# Altium PCB SuperClock_LED.PcbDoc
Units mil, origin at the board's own origin, x right, y up, seen from the top; angles counter-clockwise.
Board outline 3579.86 x 2289.71 mil, 4 copper layers (Top Layer, VCC2, GND3, Bottom Layer), stack 23.756 mil thick; 43 components, 32 nets, 152 pads, 46 vias.
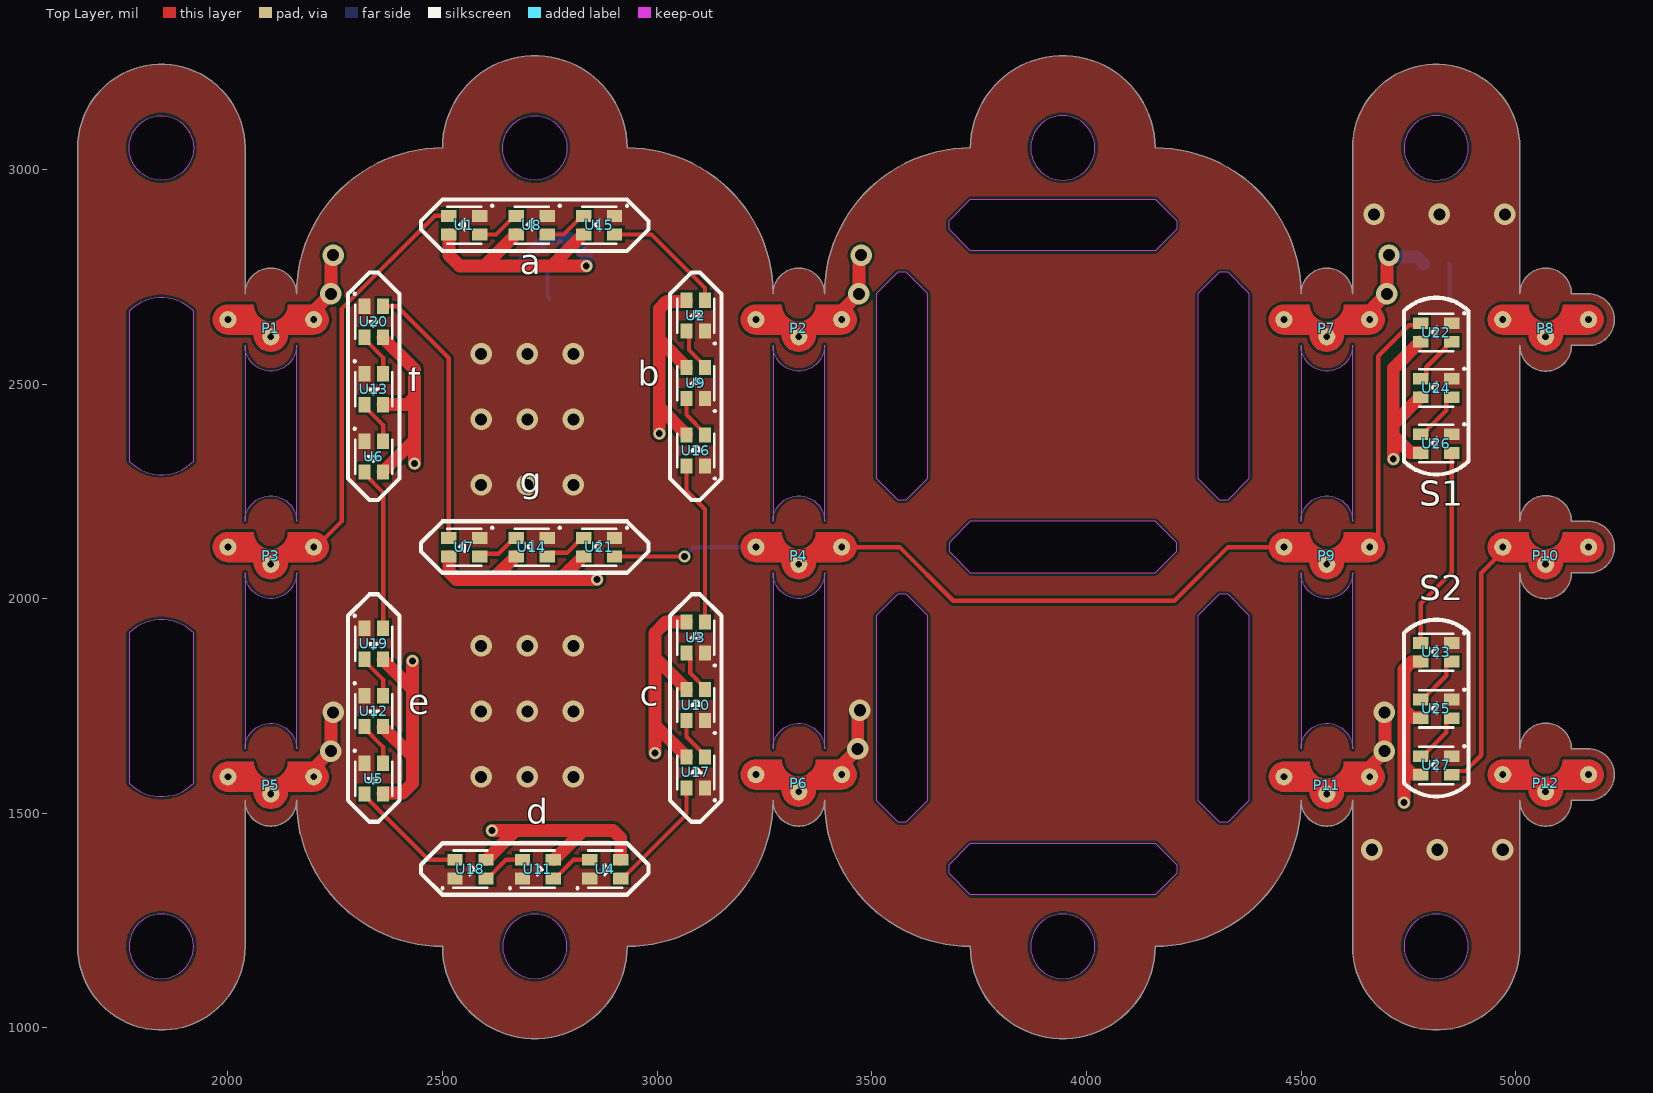
[diagram p0: Top Layer view]
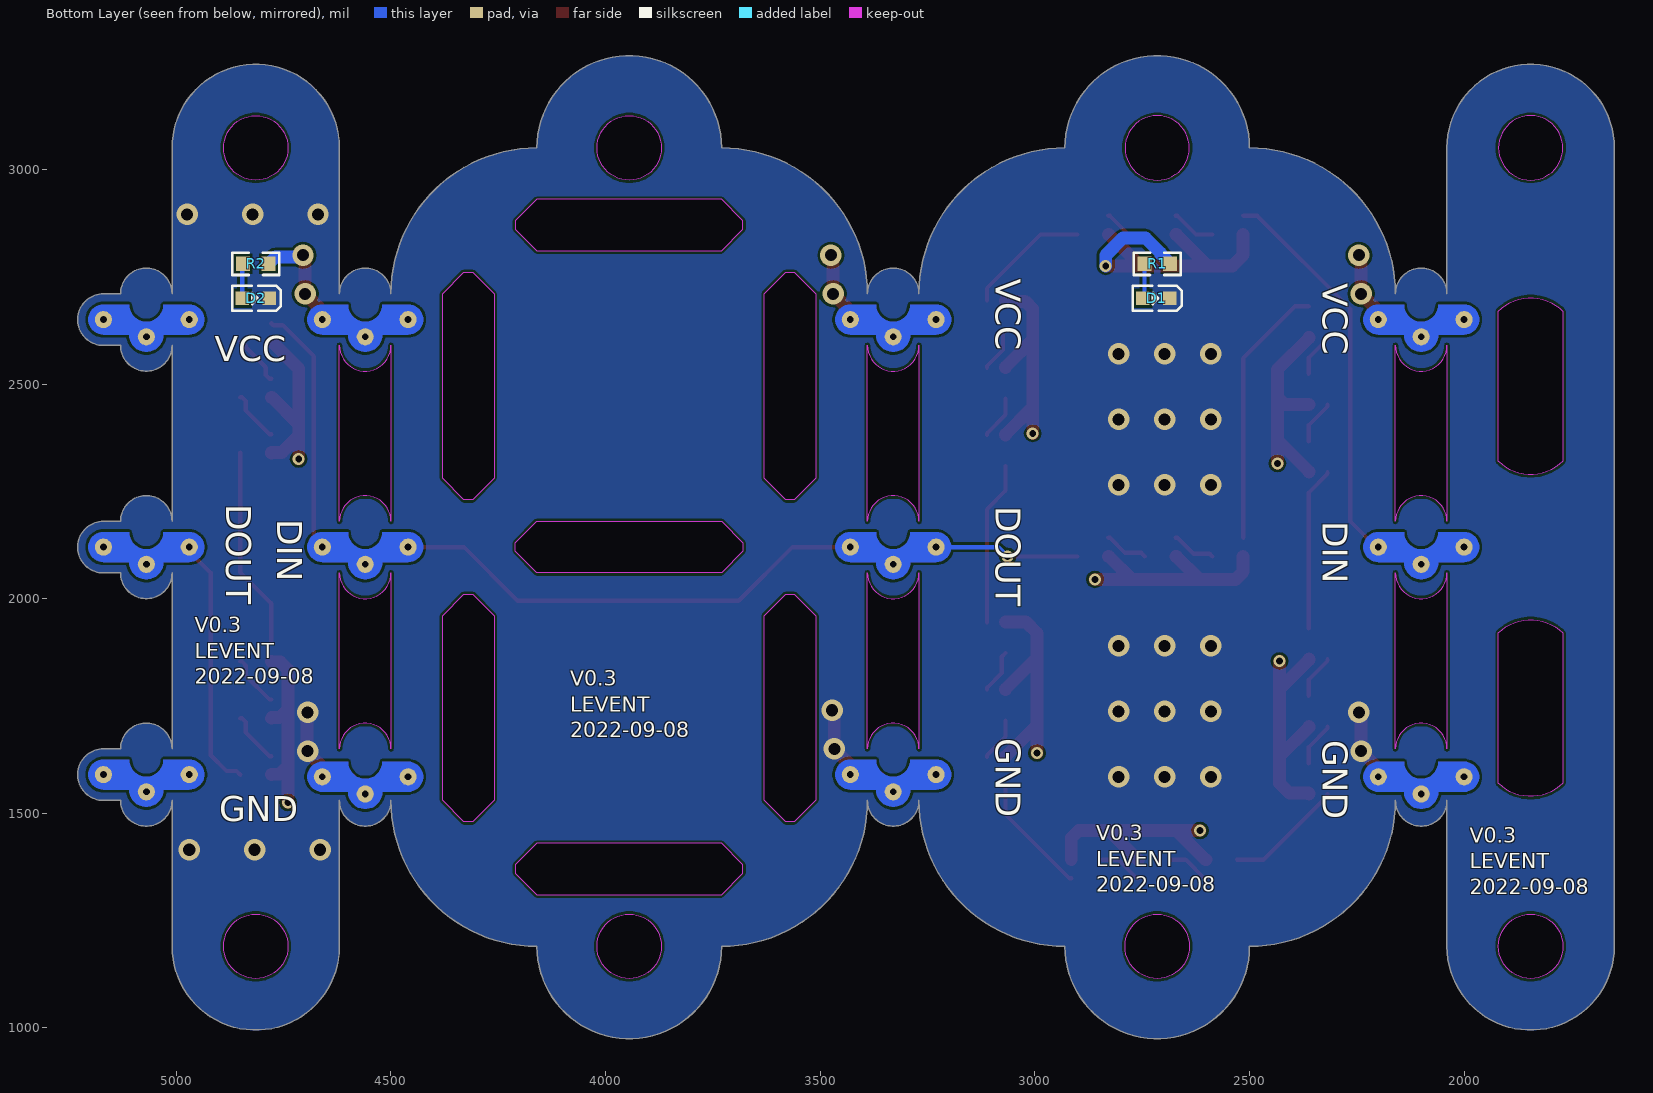
[diagram p1: Bottom Layer view, seen from below]
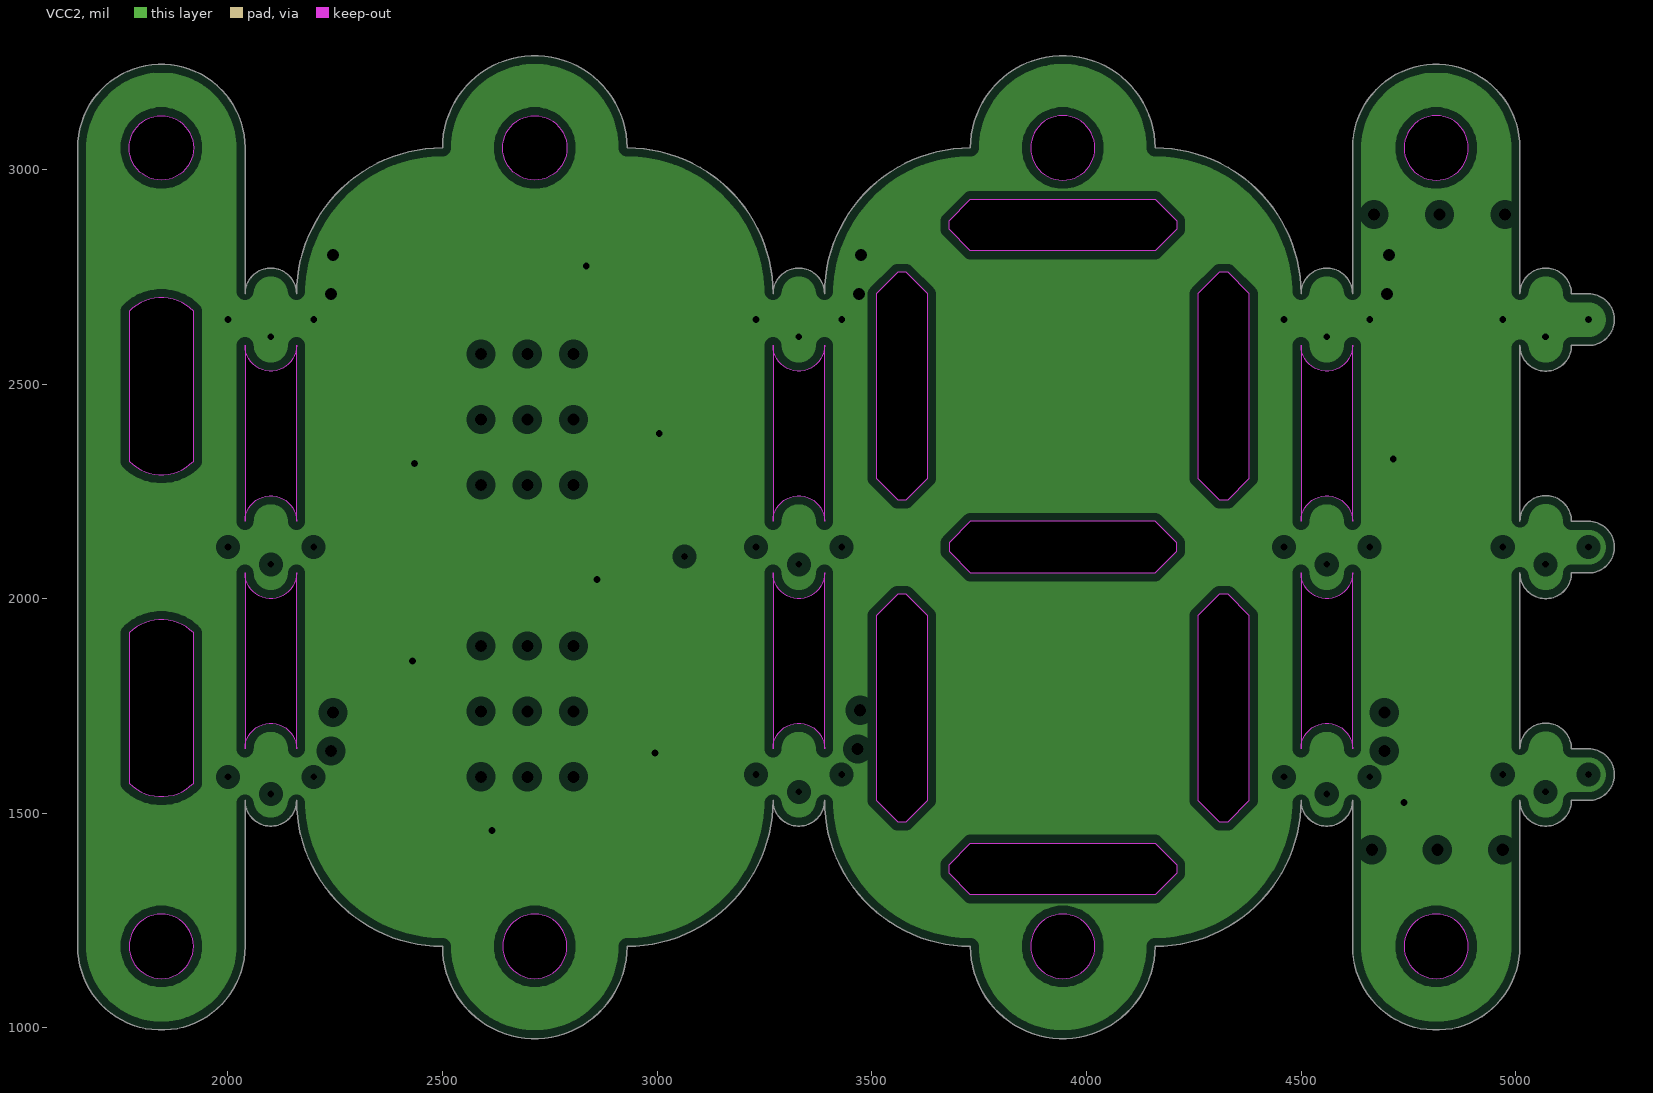
[diagram p2: VCC2, clearances drawn from the general rule]
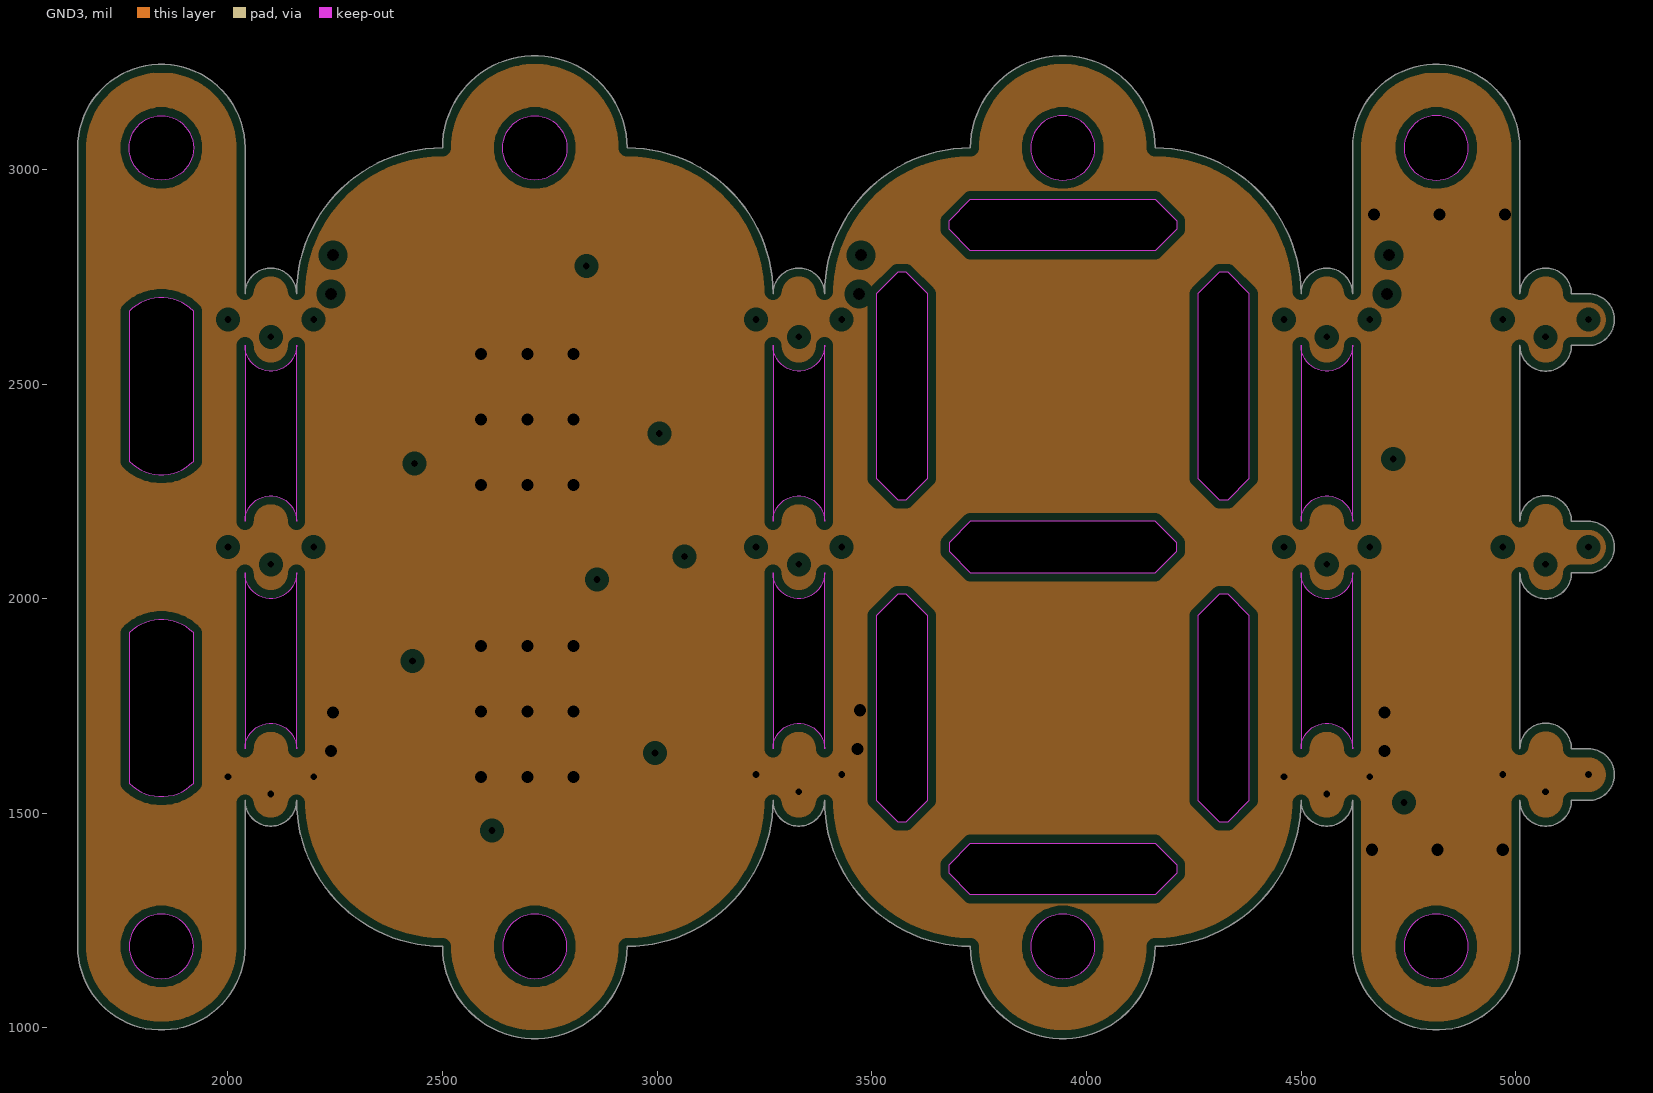
[diagram p3: GND3, clearances drawn from the general rule]
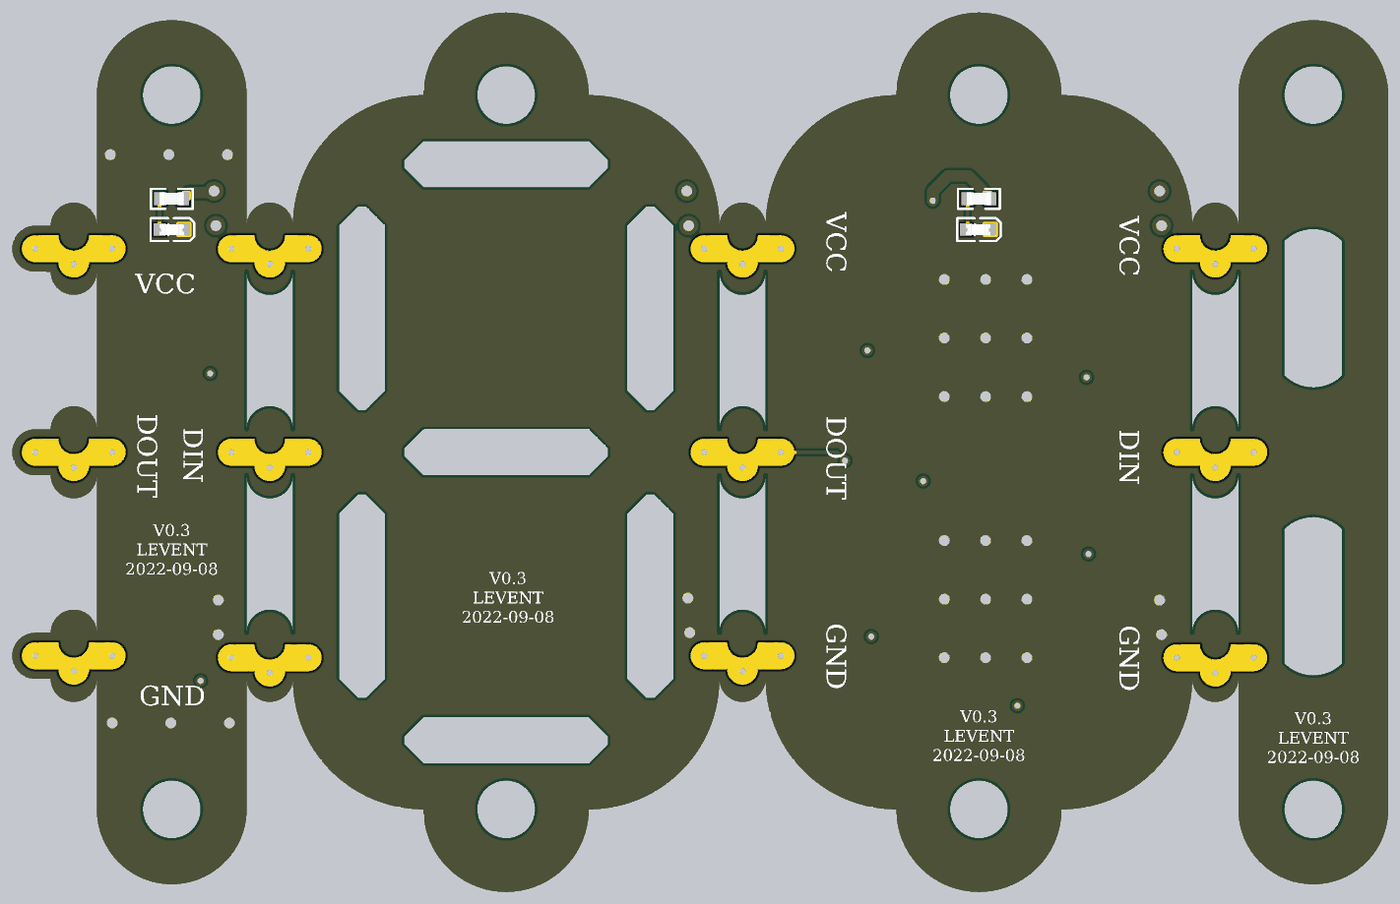
[diagram p4: 3D render of the assembled board from below, using the file's embedded part models]

## Layer stack, top to bottom
Top Solder: solder mask 0.4, Solder Resist, Dk 3.5
Top Layer: signal copper 1.4
Dielectric 2: prepreg 2.8, PP-006, Dk 4.1
VCC2: plane copper 1.378, net VCC
Dielectric 1: dielectric 12.6, FR-4, Dk 4.8
GND3: plane copper 1.378, net GND
Dielectric 3: prepreg 2.8, PP-006, Dk 4.1
Bottom Layer: signal copper 1.4
Bottom Solder: solder mask 0.4, Solder Resist, Dk 3.5

## Board outline
1650,1190 ccw(c1845,1190) 2040,1190 2040,1530 ccw(c2100,1530) 2160,1530 ccw(c2500,1530) 2500,1190 ccw(c2715,1190) 2930,1190 ccw(c2930,1530) 3270,1530 ccw(c3330,1530) 3390,1530 ccw(c3730,1530) 3730,1190 ccw(c3945,1190) 4160,1190 ccw(c4160,1530) 4500,1530 ccw(c4560,1530) 4620,1530 4620,1190 ccw(c4815,1190) 5010,1190 5010,1530 ccw(c5070,1530) 5130,1530 5170,1530 ccw(c5170,1590) 5170,1650 5130,1650 ccw(c5070,1650) 5010,1650 5010,2060 ccw(c5070,2060) 5130,2060 5170,2060 ccw(c5170,2120) 5170,2180 5130,2180 ccw(c5070,2180) 5010,2180 5010,2590 ccw(c5070,2590) 5130,2590 5170,2590 ccw(c5170,2650) 5170,2710 5130,2710 ccw(c5070,2710) 5010,2710 5010,3050 ccw(c4815,3050) 4620,3050 4620,2710 ccw(c4560,2710) 4500,2710 ccw(c4160,2710) 4160,3050 ccw(c3945,3050) 3730,3050 ccw(c3730,2710) 3390,2710 ccw(c3330,2710) 3270,2710 ccw(c2930,2710) 2930,3050 ccw(c2715,3050) 2500,3050 ccw(c2500,2710) 2160,2710 ccw(c2100,2710) 2040,2710 2040,3050 ccw(c1845,3050) 1650,3050
cut-out: 4500,2180 cw(c4560,2180) 4620,2180 4620,2590 cw(c4560,2590) 4500,2590
cut-out: 4500,1650 cw(c4560,1650) 4620,1650 4620,2060 cw(c4560,2060) 4500,2060
cut-out: 3270,2180 cw(c3330,2180) 3390,2180 3390,2590 cw(c3330,2590) 3270,2590
cut-out: 3270,1650 cw(c3330,1650) 3390,1650 3390,2060 cw(c3330,2060) 3270,2060
cut-out: 2040,1650 cw(c2100,1650) 2160,1650 2160,2060 cw(c2100,2060) 2040,2060
cut-out: 2040,2180 cw(c2100,2180) 2160,2180 2160,2590 cw(c2100,2590) 2040,2590
cut-out: 2640,1190 ccw(c2715,1190) 2715,1115 ccw(c2715,1190) 2790,1190 ccw(c2715,1190) 2715,1265 ccw(c2715,1190)
cut-out: 3870,1190 ccw(c3945,1190) 3945,1115 ccw(c3945,1190) 4020,1190 ccw(c3945,1190) 3945,1265 ccw(c3945,1190)
cut-out: 4740,1190 ccw(c4815,1190) 4815,1115 ccw(c4815,1190) 4890,1190 ccw(c4815,1190) 4815,1265 ccw(c4815,1190)
cut-out: 4740,3050 ccw(c4815,3050) 4815,2975 ccw(c4815,3050) 4890,3050 ccw(c4815,3050) 4815,3125 ccw(c4815,3050)
cut-out: 3870,3050 ccw(c3945,3050) 3945,2975 ccw(c3945,3050) 4020,3050 ccw(c3945,3050) 3945,3125 ccw(c3945,3050)
cut-out: 2715,2975 cw(c2715,3050) 2640,3050 cw(c2715,3050) 2715,3125 cw(c2715,3050) 2790,3050 cw(c2715,3050)
cut-out: 1845,2975 cw(c1845,3050) 1770,3050 cw(c1845,3050) 1845,3125 cw(c1845,3050) 1920,3050 cw(c1845,3050)
cut-out: 1770,1190 ccw(c1845,1190) 1845,1115 ccw(c1845,1190) 1920,1190 ccw(c1845,1190) 1845,1265 ccw(c1845,1190)
cut-out: 1770,1570 ccw(c1845,1645) 1920,1570 1920,1920 ccw(c1845,1845) 1770,1920
cut-out: 1770,2320 ccw(c1845,2395) 1920,2320 1920,2670 ccw(c1845,2595) 1770,2670
cut-out: 3630,1960 3580,2010 3560,2010 3510,1960 3510,1530 3560,1480 3580,1480 3630,1530
cut-out: 4380,1960 4330,2010 4310,2010 4260,1960 4260,1530 4310,1480 4330,1480 4380,1530
cut-out: 4210,1380 4210,1360 4160,1310 3730,1310 3680,1360 3680,1380 3730,1430 4160,1430
cut-out: 3680,2860 3680,2880 3730,2930 4160,2930 4210,2880 4210,2860 4160,2810 3730,2810
cut-out: 3510,2280 3560,2230 3580,2230 3630,2280 3630,2710 3580,2760 3560,2760 3510,2710
cut-out: 4260,2280 4310,2230 4330,2230 4380,2280 4380,2710 4330,2760 4310,2760 4260,2710
cut-out: 3680,2110 3730,2060 4160,2060 4210,2110 4210,2130 4160,2180 3730,2180 3680,2130

## Design rules (kind name [scope] priority, off if disabled: settings)
Clearance [All] p1: gap=6 ignorepadtopadclearanceinfootprint=FALSE
HoleSize [All] p1: absolutevalues=TRUE maxlimit=100 minlimit=16 maxpercent=80.000 minpercent=20.000
HoleToHoleClearance [All] p1: gap=6 allowstackedmicrovias=TRUE
MinimumSolderMaskSliver [All] p1: minsoldermaskwidth=2
PlaneClearance [All] p1: clearance=20
PlaneConnect [All] p1: planeconnectstyle=Direct reliefexpansion=20 reliefentries=4 reliefconductorwidth=10 reliefairgap=10
PolygonConnect [All] p1: connectstyle=Direct reliefconductorwidth=10 reliefentries=4 polygonreliefangle="90 Angle" airgapwidth=10
RoutingVias [All] p1: holewidth=16 width=28 viastyle="Through Hole" minholewidth=16 minwidth=28 maxholewidth=28 maxwidth=50
SilkToSilkClearance [All] p1: silktosilkclearance=2
SilkToSolderMaskClearance [IsPad] p1: minsilkscreentomaskgap=2 clearancetoexposedcopper=TRUE
SolderMaskExpansion [All] p1: expansion=4 istentingtop=FALSE
Width PWR [InNetClass('PWR')] p1: maxlimit=50 minlimit=15 preferedwidth=30
Width [All] p2: maxlimit=10 minlimit=10 preferedwidth=10
23 further rules are at their usual default settings.

## Classes and differential pairs
net class PWR: GND VCC

## Components (designator, comment, footprint, x,y, rotation, side; value= is the part's Value field where it differs from the comment)
D1 "LED" LED0603 2716.95,2700 r0 bottom
D2 "LED" LED0603 4815,2700 r0 bottom
P1 "PAD_1" PAD_PIN_1_SMD_ARC 2100,2610 r180 top
P2 "PAD_1" PAD_PIN_1_SMD_ARC 3330,2610 r180 top
P3 "PAD_1" PAD_PIN_1_SMD_ARC 2100,2080 r180 top
P4 "PAD_1" PAD_PIN_1_SMD_ARC 3330,2080 r180 top
P5 "PAD_1" PAD_PIN_1_SMD_ARC 2100,1545 r180 top
P6 "PAD_1" PAD_PIN_1_SMD_ARC 3330,1550 r180 top
P7 "PAD_1" PAD_PIN_1_SMD_ARC 4560,2610 r180 top
P8 "PAD_1" PAD_PIN_1_SMD_ARC 5070,2610 r180 top
P9 "PAD_1" PAD_PIN_1_SMD_ARC 4560,2080 r180 top
P10 "PAD_1" PAD_PIN_1_SMD_ARC 5070,2080 r180 top
P11 "PAD_1" PAD_PIN_1_SMD_ARC 4560,1545 r180 top
P12 "PAD_1" PAD_PIN_1_SMD_ARC 5070,1550 r180 top
R1 "Reg" R0603 2715,2780 r180 bottom value=1K
R2 "Reg" R0603 4815,2780 r180 bottom value=1K
U1 "WS2812" WS2812B-2020 2550.74,2870 r180 top
U2 "WS2812" WS2812B-2020 3090,2659.26 r90 top
U3 "WS2812" WS2812B-2020 3090,1909.26 r90 top
U4 "WS2812" WS2812B-2020 2879.26,1370 r0 top
U5 "WS2812" WS2812B-2020 2340,1580.74 r270 top
U6 "WS2812" WS2812B-2020 2340,2330.74 r270 top
U7 "WS2812" WS2812B-2020 2550.74,2120 r180 top
U8 "WS2812" WS2812B-2020 2707.87,2870 r180 top
U9 "WS2812" WS2812B-2020 3090,2502.13 r90 top
U10 "WS2812" WS2812B-2020 3090,1752.13 r90 top
U11 "WS2812" WS2812B-2020 2722.13,1370 r0 top
U12 "WS2812" WS2812B-2020 2340,1737.87 r270 top
U13 "WS2812" WS2812B-2020 2340,2487.87 r270 top
U14 "WS2812" WS2812B-2020 2707.87,2120 r180 top
U15 "WS2812" WS2812B-2020 2865,2870 r180 top
U16 "WS2812" WS2812B-2020 3090,2345 r90 top
U17 "WS2812" WS2812B-2020 3090,1595 r90 top
U18 "WS2812" WS2812B-2020 2565,1370 r0 top
U19 "WS2812" WS2812B-2020 2340,1895 r270 top
U20 "WS2812" WS2812B-2020 2340,2645 r270 top
U21 "WS2812" WS2812B-2020 2865,2120 r180 top
U22 "WS2812" WS2812B-2020 4815,2620 r180 top
U23 "WS2812" WS2812B-2020 4815,1875 r180 top
U24 "WS2812" WS2812B-2020 4815,2490.65 r180 top
U25 "WS2812" WS2812B-2020 4815,1743.15 r180 top
U26 "WS2812" WS2812B-2020 4815,2361.3 r180 top
U27 "WS2812" WS2812B-2020 4815,1611.3 r180 top

## Footprints (in the part's own frame and the unit in brackets; to place one, negate y for a bottom-side part, rotate by r counter-clockwise, add the part's x,y. Pads: shape width x height; smd on the part's side, far side on the other; paste and mask are expansions set on the pad)
LED0603 [mm]
  rect 0.8x0.8 smd: 1(-0.799,-0.003) 2(0.799,0.004)
  silkscreen extent -1.49,-0.75 1.39,0.76, body extent -0.82,-0.34 0.83,0.38, height 0.68
PAD_PIN_1_SMD_ARC [mil] "弧形焊盘"
  round 40 hole 16: 1(-100,-40) 1(0,0) 1(100,-40)
  Top Layer region: -100,-75 -115.19,-71.53 -127.36,-61.82 -134.12,-47.79 -134.12,-32.21 -127.36,-18.18 -115.19,-8.47 -100,-5 -100,-5 -40,-5 -36.04,12.36 -24.94,26.27 -8.9,34 8.9,34 24.94,26.27 36.04,12.36 40,-5 40,-5 100,-5 115.19,-8.47 127.36,-18.18 134.12,-32.21 134.12,-47.79 127.36,-61.82 115.19,-71.53 100,-75 100,-75 40,-75 36.04,-57.64 24.94,-43.73 8.9,-36 -8.9,-36 -24.94,-43.73 -36.04,-57.64 -40,-75 -40,-75
  Bottom Layer region: -100,-75 -115.19,-71.53 -127.36,-61.82 -134.12,-47.79 -134.12,-32.21 -127.36,-18.18 -115.19,-8.47 -100,-5 -100,-5 -40,-5 -36.04,12.36 -24.94,26.27 -8.9,34 8.9,34 24.94,26.27 36.04,12.36 40,-5 40,-5 100,-5 115.19,-8.47 127.36,-18.18 134.12,-32.21 134.12,-47.79 127.36,-61.82 115.19,-71.53 100,-75 100,-75 40,-75 36.04,-57.64 24.94,-43.73 8.9,-36 -8.9,-36 -24.94,-43.73 -36.04,-57.64 -40,-75 -40,-75
R0603 [mil]
  rect 31.75x34.02 smd: 1(-29.66,0) 2(29.66,0)
  silkscreen extent -55,-26 55,26, body extent -31,-17 32,17, height 19
WS2812B-2020 [mm]
  rect 0.9x0.7 smd mask+0.051: 1(-0.915,-0.55) 2(0.915,-0.55) 3(0.915,0.55) 4(-0.915,0.55)
  silkscreen extent -1.65,-1.14 1,1.1

## Part data
D1 D2: library part LED0, LatestRevisionDate=08-Jul-2005, LatestRevisionNote="Mech Layer 1 removed.", PackageDescription="LED; 2 Leads", PackageReference=LED-0, Published=8-Jun-2000, Publisher="Altium Limited"
P1 P2 P3 P4 P5 P6 P7 P8 P9 P10 P11 P12: "1脚焊盘"
R1 R2: library part Res, "电阻", BOM_Manufacturer="Viking Tech", BOM_Manufacturer Part=AR03BTCX1002A, BOM_Supplier=LCSC, BOM_Supplier Part=C465721, Contributor=LCSC, nameAlias="Resistance (Ohms)", spicePre=R, spiceSymbolName=AR03BTCX1002A
U1 U2 U3 U4 U5 U6 U7 U8 U9 U10 U11 U12 U13 U14 U15 U16 U17 U18 U19 U20 U21 U22 U23 U24 U25 U26 U27: "WS2812全色LED"

## Via types
v1: diameter 50, hole 28, Top Layer to Bottom Layer, tented both sides, 36 vias
v2: diameter 28, hole 16, Top Layer to Bottom Layer, tented both sides, 10 vias

## Nets (pads, with @x,y where several pads share a name; then routed paths per layer and width w, separated by ;. In a path a pad name is that pad's centre, name@x,y a point inside that pad or via, vN(x,y) a via of type N, cw(c..) or ccw(c..) an arc to the next point about the centre after c; other vN are vias at no path point)
DIN_1: P3.1 U1.2 | length 1040.7
  Top Layer w10: P3.1@2100,2080 2145,2125 2210,2125 2265,2180 2265,2674.73 2481.92,2891.66 U1.2
DIN_2: U2.2 U15.4 | length 290.5
  Top Layer w10: U15.4 2986.66,2848.34 3111.66,2723.34 U2.2
DIN_3: U3.2 U16.4 | length 381.6
  Top Layer w10: U16.4 3068.34,2251.66 3111.66,2208.34 U3.2
DIN_4: U4.2 U17.4 | length 276.3
  Top Layer w10: U4.2 2919.22,1348.35 3068.34,1497.47 U17.4
DIN_5: U5.2 U18.4 | length 276.3
  Top Layer w10: U5.2 2318.34,1540.78 2467.47,1391.65 U18.4
DIN_6: U6.2 U19.4 | length 381.6
  Top Layer w10: U6.2 2318.34,2290.78 2361.66,2247.47 U19.4
DIN_7: U7.2 U20.4 | length 621.7
  Top Layer w10: U20.4 2393.98,2681.02 2514.72,2560.28 U7.2
DIN_8: P4.1 P9.1 U21.4 U22.2 | length 2175
  Top Layer w10: U21.4 v2(3063.34,2098.34) ; P4.1@3430,2120 3565,2120 3690,1995 4205,1995 4330,2120 P9.1@4460,2120 ; P9.1@4560,2080 4600,2120 4665,2120 4665,2122.01 4680,2137.01 4680,2565 4752.12,2637.12 4774.44,2637.12 U22.2
  Bottom Layer w10: v2(3063.34,2098.34) 3085,2120 P4.1@3230,2120
DIN_9: U23.2 U26.4 | length 472.8
  Top Layer w10: U23.2 4778.98,1988.97 4851.02,2061.03 U26.4
DIN_10: P10.1 U27.4 | length 695.9
  Top Layer w10: U27.4 4859.8,1598.42 4883.42,1598.42 4920,1635 4920,2060 4970,2110 5040,2110 P10.1@5070,2080
GND: D1.1 D2.1 P5.1 P6.1 P11.1 P12.1 U1.1 U2.1 U3.1 U4.1 U5.1 U6.1 U7.1 U8.1 U9.1 U10.1 U11.1 U12.1 U13.1 U14.1 U15.1 U16.1 U17.1 U18.1 U19.1 U20.1 U21.1 U22.1 U23.1 U24.1 U25.1 U26.1 U27.1 | length 813.4
  Top Layer w30: P5.1@2100,1545 2102.71,1545 2137.71,1580 2175,1580 v1(2240,1645) 2240,1730 v1(2245,1735) ; P6.1@3327.29,1550 3330,1550 3365,1585 3402.29,1585 v1(3467.29,1650) 3467.29,1735 v1(3472.29,1740) ; P11.1@4560,1545 4595,1580 4632.29,1580 4694,1641.71 v1(4694,1645) ; v1(4694,1735) 4695.65,1733.35 v1@4695.65,1646.65
  other v1: 4665,1415 4817.5,1415 4970,1415 2590,1585 2697.5,1585 2805,1585 2590,1737.5 2697.5,1737.5 2805,1737.5 2590,1890 2697.5,1890 2805,1890 2590,2265 2697.5,2265 2805,2265 2590,2417.5 2697.5,2417.5 2805,2417.5 2590,2570 2697.5,2570 2805,2570 4670,2895 4822.5,2895 4975,2895
NetD1_2: D1.2 R1.1 | length 81.7
  Bottom Layer w10: R1.1 2744.66,2703.63 D1.2
NetD2_2: D2.2 R2.1 | length 80.9
  Bottom Layer w10: R2.1 4846.48,2778.18 D2.2
NetU1_4: U1.4 U8.2 | length 103
  Top Layer w10: U1.4 2624.6,2848.34 2667.91,2891.66 U8.2
NetU2_4: U2.4 U9.2 | length 103
  Top Layer w10: U2.4 3074.48,2617.1 3074.48,2579.26 3111.66,2542.09 U9.2
NetU3_4: U3.4 U10.2 | length 103
  Top Layer w10: U3.4 3077.12,1864.45 3077.12,1826.62 3111.66,1792.09 U10.2
NetU4_4: U4.4 U11.2 | length 103
  Top Layer w10: U11.2 2762.09,1348.35 2805.4,1391.65 U4.4
NetU5_4: U5.4 U12.2 | length 103
  Top Layer w10: U12.2 2318.34,1697.91 2361.66,1654.6 U5.4
NetU6_4: U6.4 U13.2 | length 103
  Top Layer w10: U13.2 2318.34,2447.91 2361.66,2404.6 U6.4
NetU7_4: U7.4 U14.2 | length 103
  Top Layer w10: U7.4 2592.9,2104.48 2630.74,2104.48 2667.91,2141.66 U14.2
NetU8_4: U8.4 U15.2 | length 103
  Top Layer w10: U8.4 2781.73,2848.34 2825.04,2891.66 U15.2
NetU9_4: U9.4 U16.2 | length 103
  Top Layer w10: U9.4 3068.34,2428.27 3111.66,2384.96 U16.2
NetU10_4: U10.4 U17.2 | length 103
  Top Layer w10: U10.4 3068.34,1678.27 3111.66,1634.96 U17.2
NetU11_4: U11.4 U18.2 | length 103
  Top Layer w10: U18.2 2604.96,1348.35 2648.27,1391.65 U11.4
NetU12_4: U12.4 U19.2 | length 103
  Top Layer w10: U19.2 2318.34,1855.04 2361.66,1811.73 U12.4
NetU13_4: U13.4 U20.2 | length 103
  Top Layer w10: U20.2 2318.34,2605.04 2361.66,2561.73 U13.4
NetU14_4: U14.4 U21.2 | length 103
  Top Layer w10: U14.4 2752.16,2106.61 2790,2106.61 2825.04,2141.66 U21.2
NetU22_4: U22.4 U24.2 | length 120.5
  Top Layer w10: U24.2 4782.91,2512.3 4791.69,2521.08 4791.69,2539.01 4838.31,2585.63 4838.31,2589.57 4847.09,2598.34 U22.4
NetU23_4: U23.4 U25.2 | length 123
  Top Layer w10: U25.2 4782.91,1764.8 4838.31,1820.2 4838.31,1844.57 4847.09,1853.35 U23.4
NetU24_4: U24.4 U26.2 | length 120.5
  Top Layer w10: U26.2 4782.91,2382.95 4838.31,2438.35 4838.31,2460.22 4847.09,2468.99 U24.4
NetU25_4: U25.4 U27.2 | length 123
  Top Layer w10: U27.2 4782.91,1632.95 4838.31,1688.35 4838.31,1712.71 4847.09,1721.49 U25.4
VCC: P1.1 P2.1 P7.1 P8.1 R1.2 R2.2 U1.3 U2.3 U3.3 U4.3 U5.3 U6.3 U7.3 U8.3 U9.3 U10.3 U11.3 U12.3 U13.3 U14.3 U15.3 U16.3 U17.3 U18.3 U19.3 U20.3 U21.3 U22.3 U23.3 U24.3 U25.3 U26.3 U27.3 | length 5927.3
  Top Layer w30: P1.1@2100,2610 2102.71,2610 2137.71,2645 2175,2645 v1(2240,2710) 2240,2795 v1(2245,2800) ; U5.3 2361.66,1546.21 2362.88,1547.43 2407.43,1547.43 2430,1570 2430,1632 ; U12.3 2361.66,1700.35 2430,1632 ; U19.3 2361.66,1857.48 2430,1789.13 ; U6.3 2361.66,2296.21 2435,2369.56 ; U13.3 2417.43,2451.85 2435,2469.42 ; U20.3 2361.66,2607.48 2435,2534.13 2435,2469.42 ; v2(2430,1855) 2430,1789.13 ; v2(2435,2315) 2435,2369.56 ; U7.3 2514.72,2062.57 2532.29,2045 2617,2045 ; U1.3 2514.72,2800.28 2540,2775 2597,2775 ; U18.3 2602.52,1391.65 2670.87,1460 ; v2(2615,1460) 2670.87,1460 ; U14.3 2670.35,2098.34 2617,2045 ; U8.3 2670.35,2848.34 2597,2775 ; U11.3 2759.65,1391.65 2828,1460 ; U21.3 2827.48,2098.34 2774.13,2045 ; U15.3 2827.48,2848.34 2754.13,2775 ; v2(2835,2775) 2754.13,2775 ; v2(2860,2045) 2774.13,2045 ; U4.3 2915.28,1442.43 2897.71,1460 2828,1460 ; v2(2995,1640) 2995,1705.87 ; v2(3005,2385) 3005,2445.87 ; U17.3 3068.34,1632.52 2995,1705.87 ; U10.3 3068.34,1789.65 2995,1863 ; U3.3 3020.28,1945.28 2995,1920 2995,1863 ; U16.3 3068.34,2382.52 3005,2445.87 ; U9.3 3068.34,2539.65 3005,2603 ; U2.3 3068.34,2693.79 3067.12,2692.57 3022.57,2692.57 3005,2674.99 3005,2603 ; P2.1@3330,2610 3332.71,2610 3367.71,2645 3405,2645 v1(3470,2710) 3470,2795 v1(3475,2800) ; P7.1@4560,2610 4562.71,2610 4597.71,2645 4635,2645 v1(4700,2710) 4700,2795 v1(4705,2800) ; v2(4714.92,2325.08) 4714.92,2380.08 ; v2(4740,1525) 4740,1610.73 ; U27.3 4777.75,1590.86 4759.87,1590.86 4740,1610.73 ; U25.3 4777.75,1722.71 4759.87,1722.71 4740,1742.59 ; U23.3 4777.75,1852.12 4757.57,1852.12 4740,1834.55 4740,1742.59 ; U26.3 4777.75,2340.86 4754.14,2340.86 4714.92,2380.08 ; U24.3 4777.48,2468.99 4714.92,2406.43 ; U22.3 4777.48,2598.34 4714.92,2535.78 4714.92,2406.43 ; 2430,1632 2430,1789.13 ; 2435,2369.56 2435,2469.42 ; 2597,2775 2754.13,2775 ; 2617,2045 2774.13,2045 ; 2670.87,1460 2828,1460 ; 2995,1705.87 2995,1863 ; 3005,2445.87 3005,2603 ; 4714.92,2380.08 4714.92,2406.43 ; 4740,1610.73 4740,1742.59
  Bottom Layer w30: R1.2 2685.34,2781.13 2707.43,2803.22 2707.43,2805.36 2742.07,2840 2795,2840 2835,2800 v2(2835,2775) ; v1(4705,2800) 4708.83,2796.17 4769.17,2796.17 4783.34,2782.01 4784.47,2782.01 4785.35,2781.13 R2.2

## Polygon pours and split planes (outlines as drawn)
GND on Top Layer "NONET_L-01_P-001" (solid, pour order 0): 1650,1190 ccw(c1845,1190) 2040,1190 2040,1530 ccw(c2100,1530) 2160,1530 ccw(c2500,1530) 2500,1190 ccw(c2715,1190) 2930,1190 ccw(c2930,1530) 3270,1530 ccw(c3330,1530) 3390,1530 ccw(c3730,1530) 3730,1190 ccw(c3945,1190) 4160,1190 ccw(c4160,1530) 4500,1530 ccw(c4560,1530) 4620,1530 4620,1190 ccw(c4815,1190) 5010,1190 5010,1530 ccw(c5070,1530) 5130,1530 5170,1530 ccw(c5170,1590) 5170,1650 5130,1650 ccw(c5070,1650) 5010,1650 5010,2060 ccw(c5070,2060) 5130,2060 5170,2060 ccw(c5170,2120) 5170,2180 5130,2180 ccw(c5070,2180) 5010,2180 5010,2590 ccw(c5070,2590) 5130,2590 5170,2590 ccw(c5170,2650) 5170,2710 5130,2710 ccw(c5070,2710) 5010,2710 5010,3050 ccw(c4815,3050) 4620,3050 4620,2710 ccw(c4560,2710) 4500,2710 ccw(c4160,2710) 4160,3050 ccw(c3945,3050) 3730,3050 ccw(c3730,2710) 3390,2710 ccw(c3330,2710) 3270,2710 ccw(c2930,2710) 2930,3050 ccw(c2715,3050) 2500,3050 ccw(c2500,2710) 2160,2710 ccw(c2100,2710) 2040,2710 2040,3050 ccw(c1845,3050) 1650,3050
GND on Bottom Layer "NONET_L-01_P-001" (solid, pour order 1): 1650,1190 ccw(c1845,1190) 2040,1190 2040,1530 ccw(c2100,1530) 2160,1530 ccw(c2500,1530) 2500,1190 ccw(c2715,1190) 2930,1190 ccw(c2930,1530) 3270,1530 ccw(c3330,1530) 3390,1530 ccw(c3730,1530) 3730,1190 ccw(c3945,1190) 4160,1190 ccw(c4160,1530) 4500,1530 ccw(c4560,1530) 4620,1530 4620,1190 ccw(c4815,1190) 5010,1190 5010,1530 ccw(c5070,1530) 5130,1530 5170,1530 ccw(c5170,1590) 5170,1650 5130,1650 ccw(c5070,1650) 5010,1650 5010,2060 ccw(c5070,2060) 5130,2060 5170,2060 ccw(c5170,2120) 5170,2180 5130,2180 ccw(c5070,2180) 5010,2180 5010,2590 ccw(c5070,2590) 5130,2590 5170,2590 ccw(c5170,2650) 5170,2710 5130,2710 ccw(c5070,2710) 5010,2710 5010,3050 ccw(c4815,3050) 4620,3050 4620,2710 ccw(c4560,2710) 4500,2710 ccw(c4160,2710) 4160,3050 ccw(c3945,3050) 3730,3050 ccw(c3730,2710) 3390,2710 ccw(c3330,2710) 3270,2710 ccw(c2930,2710) 2930,3050 ccw(c2715,3050) 2500,3050 ccw(c2500,2710) 2160,2710 ccw(c2100,2710) 2040,2710 2040,3050 ccw(c1845,3050) 1650,3050
VCC on VCC2 (split plane): 1185 vertices, not listed, extent 1670.1,995.1 5209.9,3244.9
GND on GND3 (split plane): 1185 vertices, not listed, extent 1670.1,995.1 5209.9,3244.9

## Silkscreen, mask and mechanical layers (free items; w line width, h text height)
Top Overlay:
  lines w10: 2280,1530 2330,1480 2350,1480 2400,1530 2400,1960 2350,2010 2330,2010 2280,1960 2280,1530 ; 2280,2280 2330,2230 2350,2230 2400,2280 2400,2710 2350,2760 2330,2760 2280,2710 2280,2280 ; 2450,1360 2500,1310 2930,1310 2980,1360 2980,1380 2930,1430 2500,1430 2450,1380 2450,1360 ; 2450,2110 2500,2060 2930,2060 2980,2110 2980,2130 2930,2180 2500,2180 2450,2130 2450,2110 ; 2450,2860 2500,2810 2930,2810 2980,2860 2980,2880 2930,2930 2500,2930 2450,2880 2450,2860 ; 3030,1530 3080,1480 3100,1480 3150,1530 3150,1960 3100,2010 3080,2010 3030,1960 3030,1530 ; 3030,2280 3080,2230 3100,2230 3150,2280 3150,2710 3100,2760 3080,2760 3030,2710 3030,2280 ; 4740,1570 ccw(c4815,1645) 4890,1570 4890,1920 ccw(c4815,1845) 4740,1920 4740,1570 ; 4740,2320 ccw(c4815,2395) 4890,2320 4890,2670 ccw(c4815,2595) 4740,2670 4740,2320
  text "a" at 2680,2736.04 h100
  text "b" at 2955.07,2476.04 h100
  text "f" at 2420,2465 h100
  text "g" at 2680,2226.65 h100
  text "S1" at 4775,2196.04 h100
  text "S2" at 4775,1976.04 h100
  text "c" at 2960,1731.04 h100
  text "e" at 2420,1711.04 h100
  text "d" at 2695,1456.04 h100
Bottom Overlay:
  text "VCC" at 3111.32,2745 h100 r90
  text "VCC" at 2348.96,2735 h100 r90
  text "VCC" at 4910,2533.68 h100
  text "DOUT" at 4903.96,2219.93 h100 r90
  text "DOUT" at 3111.32,2214.93 h100 r90
  text "DIN" at 4784.72,2184.93 h100 r90
  text "DIN" at 2348.96,2179.93 h100 r90
  text "V0.3 / LEVENT / 2022-09-08" at 4957.11,1790 h60
  text "GND" at 3111.32,1675 h100 r90
  text "GND" at 2348.96,1670 h100 r90
  text "V0.3 / LEVENT / 2022-09-08" at 4082.11,1665 h60
  text "GND" at 4900,1461.04 h100
  text "V0.3 / LEVENT / 2022-09-08" at 2857.11,1305 h60
  text "V0.3 / LEVENT / 2022-09-08" at 1987.11,1300 h60
Mechanical 1:
  circle w10: c2715,3050 r75
  circle w10: c2715,1190 r75
  circle w10: c1845,1190 r75
  circle w10: c1845,3050 r75
  circle w10: c3945,3050 r75
  circle w10: c3945,1190 r75
  circle w10: c4815,3050 r75
  circle w10: c4815,1190 r75
  lines w10: 1650,1190 ccw(c1845,1190) 2040,1190 2040,1530 ccw(c2100,1530) 2160,1530 ccw(c2500,1530) 2500,1190 ccw(c2715,1190) 2930,1190 ccw(c2930,1530) 3270,1530 ccw(c3330,1530) 3390,1530 ccw(c3730,1530) 3730,1190 ccw(c3945,1190) 4160,1190 ccw(c4160,1530) 4500,1530 ccw(c4560,1530) 4620,1530 4620,1190 ccw(c4815,1190) 5010,1190 5010,1530 ccw(c5070,1530) 5130,1530 5170,1530 ccw(c5170,1590) 5170,1650 5130,1650 ccw(c5070,1650) 5010,1650 5010,2060 ccw(c5070,2060) 5130,2060 5170,2060 ccw(c5170,2120) 5170,2180 5130,2180 ccw(c5070,2180) 5010,2180 5010,2590 ccw(c5070,2590) 5130,2590 5170,2590 ccw(c5170,2650) 5170,2710 5130,2710 ccw(c5070,2710) 5010,2710 5010,3050 ccw(c4815,3050) 4620,3050 4620,2710 ccw(c4560,2710) 4500,2710 ccw(c4160,2710) 4160,3050 ccw(c3945,3050) 3730,3050 ccw(c3730,2710) 3390,2710 ccw(c3330,2710) 3270,2710 ccw(c2930,2710) 2930,3050 ccw(c2715,3050) 2500,3050 ccw(c2500,2710) 2160,2710 ccw(c2100,2710) 2040,2710 2040,3050 ccw(c1845,3050) 1650,3050 1650,2710 1650,1530 1650,1190 ; 1770,1570 ccw(c1845,1645) 1920,1570 1920,1920 ccw(c1845,1845) 1770,1920 1770,1570 ; 1770,2320 ccw(c1845,2395) 1920,2320 1920,2670 ccw(c1845,2595) 1770,2670 1770,2320 ; 2040,1650 cw(c2100,1650) 2160,1650 2160,2060 cw(c2100,2060) 2040,2060 2040,1650 ; 2040,2180 cw(c2100,2180) 2160,2180 2160,2590 cw(c2100,2590) 2040,2590 2040,2180 ; 3270,1650 cw(c3330,1650) 3390,1650 3390,2060 cw(c3330,2060) 3270,2060 3270,1650 ; 3270,2180 cw(c3330,2180) 3390,2180 3390,2590 cw(c3330,2590) 3270,2590 3270,2180 ; 3510,1530 3560,1480 3580,1480 3630,1530 3630,1960 3580,2010 3560,2010 3510,1960 3510,1530 ; 3510,2280 3560,2230 3580,2230 3630,2280 3630,2710 3580,2760 3560,2760 3510,2710 3510,2280 ; 3680,1360 3680,1380 3730,1430 4160,1430 4210,1380 4210,1360 4160,1310 3730,1310 3680,1360 ; 3680,2110 3680,2130 3730,2180 4160,2180 4210,2130 4210,2110 4160,2060 3730,2060 3680,2110 ; 3680,2860 3680,2880 3730,2930 4160,2930 4210,2880 4210,2860 4160,2810 3730,2810 3680,2860 ; 4260,1530 4260,1960 4310,2010 4330,2010 4380,1960 4380,1530 4330,1480 4310,1480 4260,1530 ; 4260,2280 4310,2230 4330,2230 4380,2280 4380,2710 4330,2760 4310,2760 4260,2710 4260,2280 ; 4500,1650 cw(c4560,1650) 4620,1650 4620,2060 cw(c4560,2060) 4500,2060 4500,1650 ; 4500,2180 cw(c4560,2180) 4620,2180 4620,2590 cw(c4560,2590) 4500,2590 4500,2180